# KiCad board poly_kb_molecule_7x5_wave_left.kicad_pcb (continued)
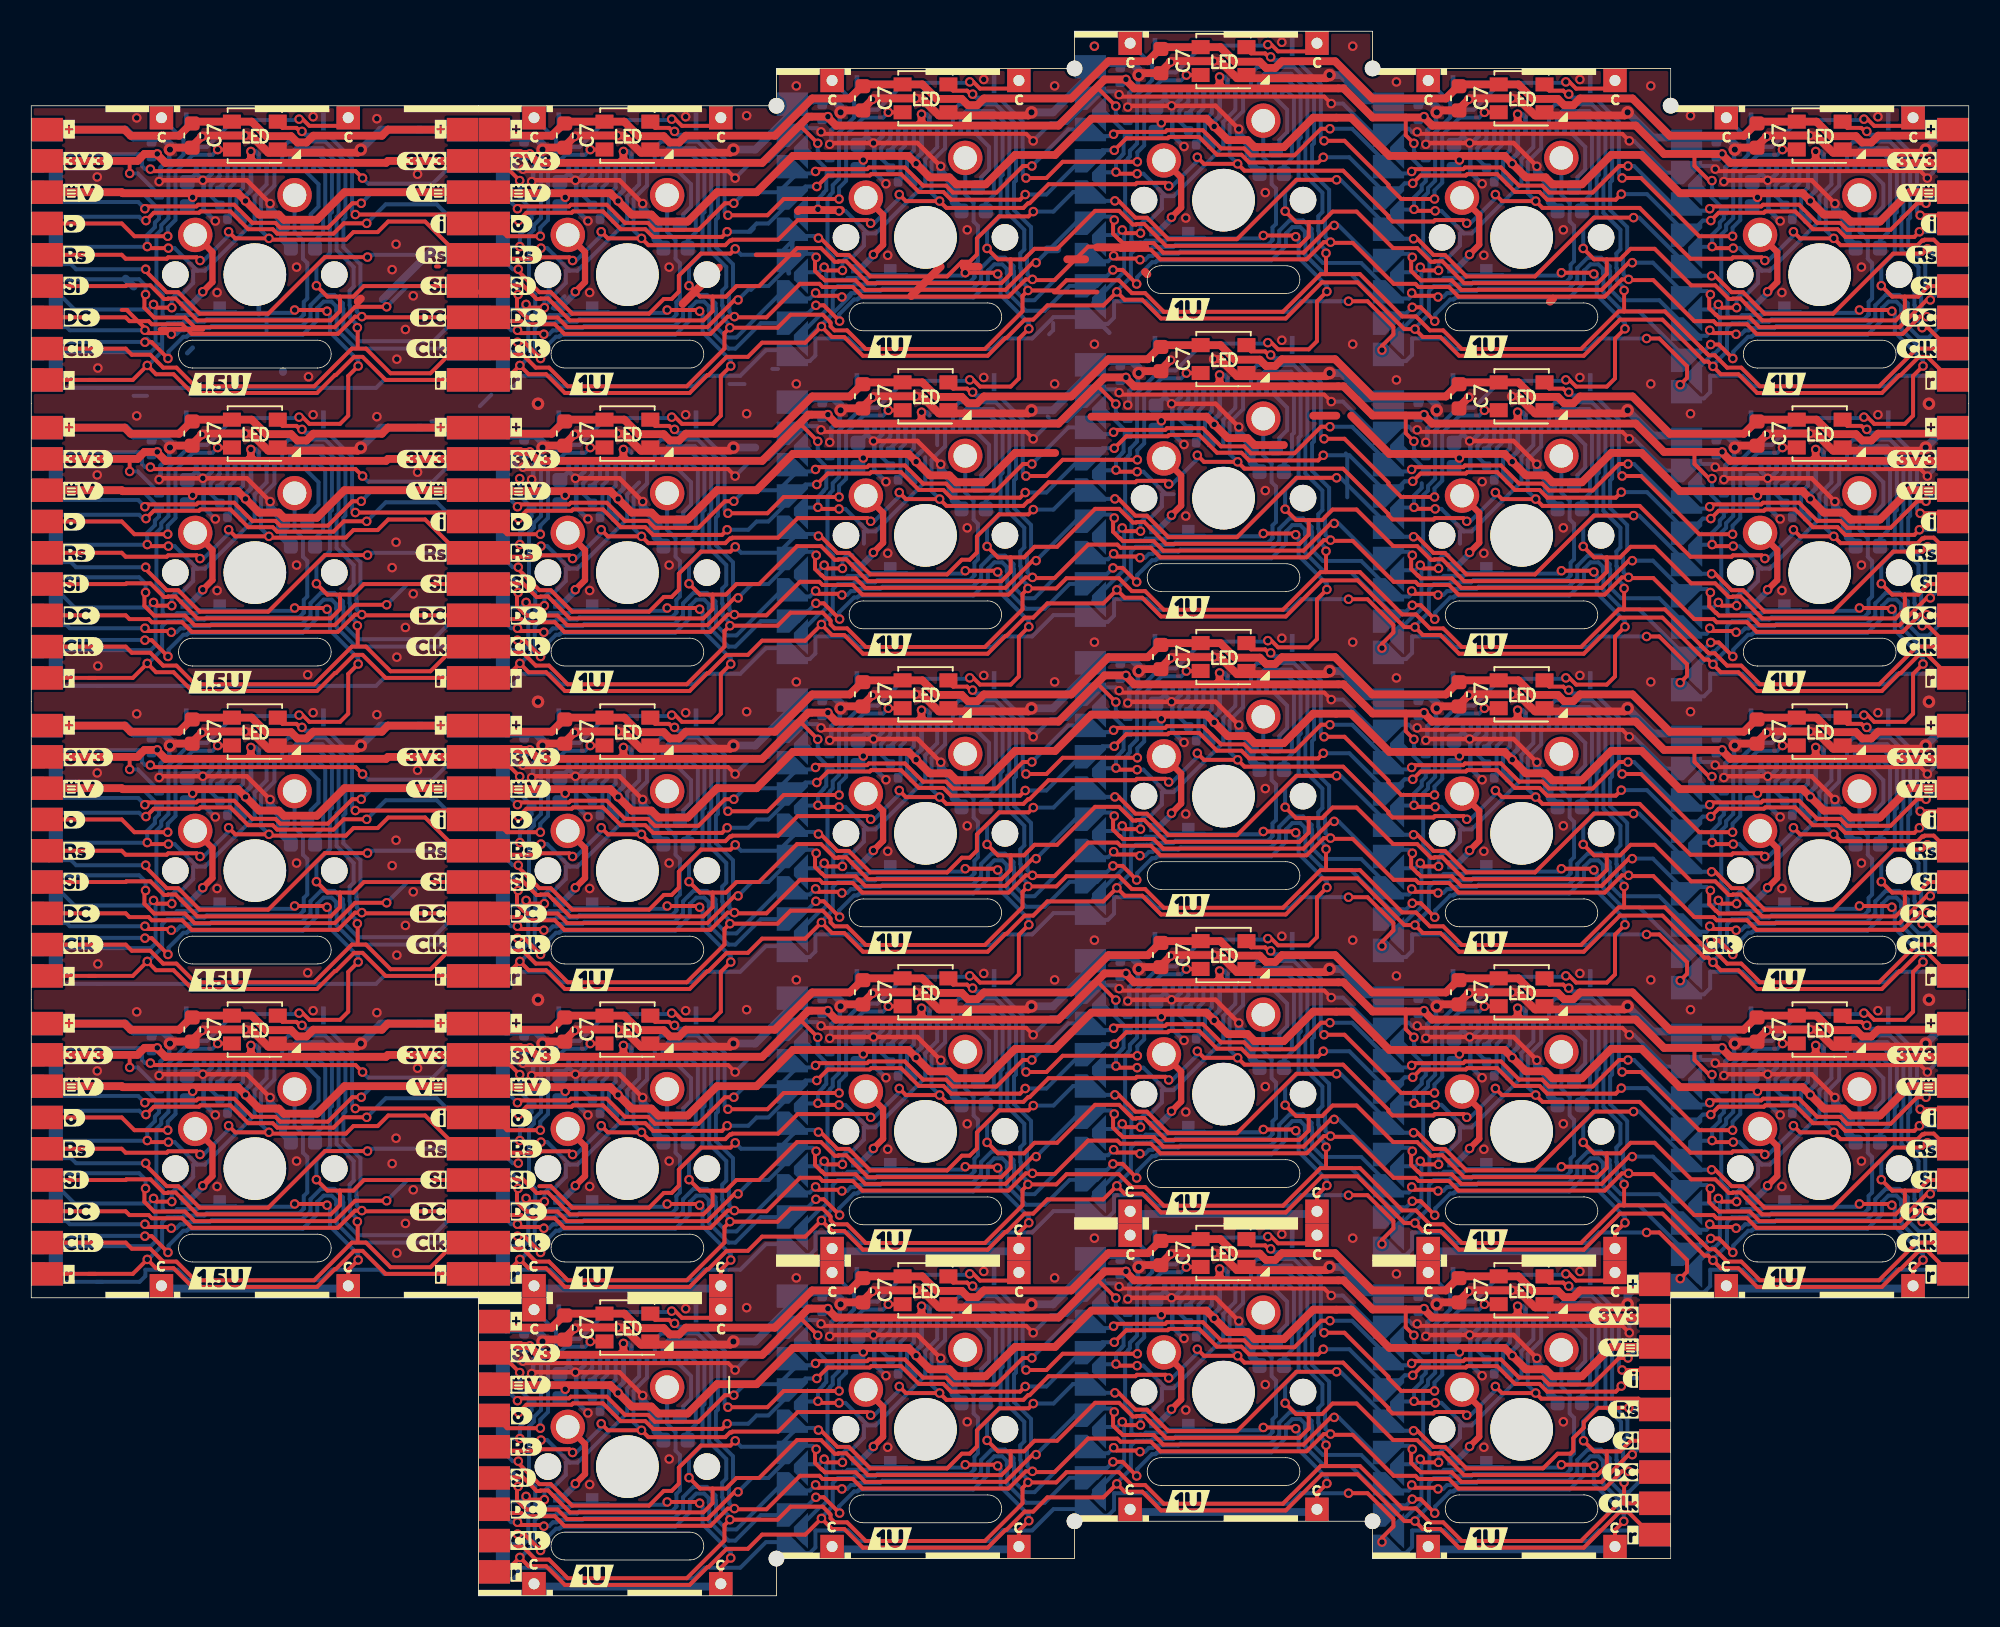
[diagram p0: board, top side]
## Routing (per net, layer and track width the routed paths; a pad name or vN(x,y) marks a point on that pad's centre or on a via; arc(x,y) is an arc through that point) (continued)
CS4: length 127.2
  Top w0.254: v1(21.49,47.48) 18.76,47.48 15.14,43.86 10.76,43.86 9.39,45.23 8.66,45.23 7.31,46.58 v1(7.31,46.7) ; v1(21.49,85.58) 18.76,85.58 15.14,81.96 10.76,81.96 9.39,83.33 8.66,83.33 7.31,84.68 v1(7.31,84.8) ; v1(7.31,27.65) 7.31,27.53 8.66,26.18 9.39,26.18 10.76,24.81 15.14,24.81 18.76,28.43 v1(21.49,28.43) ; v1(31.12,27.65) 31.12,27.53 ; v1(7.31,65.75) 7.31,65.63 8.66,64.28 9.39,64.28 10.76,62.91 15.14,62.91 18.76,66.53 v1(21.49,66.53)
  Bottom w0.254: v1(21.49,85.58) 21.64,85.73 J6#2.5 ; v1(21.49,47.48) 21.64,47.63 J6.5 ; v1(7.31,65.75) 2.86,65.75 2.54,66.08 1.12,66.08 J5#5.5 ; v1(7.31,46.7) 2.86,46.7 2.54,47.03 1.12,47.03 J5#24.5 ; v1(7.31,27.65) 2.86,27.65 2.54,27.98 1.12,27.98 J5#2.5 ; v1(21.49,66.53) 21.64,66.68 J6#5.5 ; v1(31.12,27.65) 30.77,27.65 29.84,28.58 ; v1(7.31,84.8) 2.86,84.8 2.54,85.13 1.12,85.13 J5#15.5 ; v1(21.49,28.43) 21.64,28.58 J6#4.5
  Bottom w0.5: 22.46,82.87 25.61,86.02
  vias: v1(50.3,86.79) v1(50.3,67.74) v1(50.3,48.69) v1(50.3,29.64) v1(50.3,10.59) v1(64.04,88.49) v1(64.04,69.44) v1(64.04,50.39) v1(64.04,31.34) v1(64.04,12.29) v1(69.25,89.17) v1(69.25,70.12) v1(69.25,51.07) v1(69.25,32.02) v1(69.25,12.97) v1(83.42,90.52) v1(83.42,71.47) v1(83.42,52.42) v1(83.42,33.37) v1(83.42,14.32) v1(88.34,86.75) v1(88.34,67.7) v1(88.34,48.65) v1(88.34,29.6) v1(88.34,10.55) v1(102.1,12.01) v1(102.41,88.1) v1(102.41,69.05) v1(102.41,50) v1(102.41,30.95)
CS5: length 1194.3
  Top w0.254: v1(44.99,67.05) 44.68,66.75 42.8,66.75 41.39,65.34 41.39,64.31 40.92,63.85 40.42,63.85 39.48,62.91 34.58,62.91 33.2,64.28 32.47,64.28 31.12,65.63 v1(31.12,65.75) ; v1(102.32,47.12) 102.1,47.12 100.36,45.38 91.4,45.38 90.78,45.99 88.81,45.99 88.63,46.17 88.61,46.17 88.19,46.59 88.19,47.39 v1(88.27,47.47) ; 69.25,51.07 69.5,51.07 70.57,50 71.3,50 72.68,48.62 77.06,48.62 80.85,52.42 83.42,52.42 ; v1(31.12,8.6) 31.12,8.48 32.47,7.13 33.2,7.13 34.58,5.76 39.48,5.76 40.42,6.7 40.92,6.7 41.39,7.16 41.39,8.19 42.8,9.6 44.68,9.6 v1(44.99,9.9) ; 50.3,86.79 50.44,86.79 51.52,85.71 52.25,85.71 53.63,84.34 58.53,84.34 59.47,85.28 59.97,85.28 60.44,85.74 60.44,86.77 61.85,88.18 63.73,88.18 64.04,88.49 ; v1(88.27,85.57) 88.19,85.49 88.19,84.69 88.61,84.27 88.63,84.27 88.81,84.09 90.78,84.09 91.4,83.48 100.36,83.48 102.1,85.22 v1(102.32,85.22) ; v1(121.19,67.05) 120.88,66.75 119,66.75 115.16,62.91 110.78,62.91 109.4,64.28 108.67,64.28 107.62,65.33 v1(107.39,65.33) ; 32.47,26.18 33.2,26.18 34.58,24.81 39.48,24.81 40.42,25.75 40.92,25.75 41.39,26.21 41.39,27.24 42.8,28.65 44.68,28.65 v1(44.99,28.95) ; v1(69.22,11.75) 69.14,11.67 69.14,10.87 69.56,10.45 69.58,10.45 69.76,10.27 71.73,10.27 72.35,9.66 81.31,9.66 83.05,11.4 v1(83.27,11.4) ; 83.42,14.32 80.85,14.32 77.06,10.52 72.68,10.52 71.3,11.9 70.57,11.9 69.5,12.97 69.25,12.97 ; v1(69.22,49.85) 69.14,49.77 69.14,48.97 69.56,48.55 69.58,48.55 69.76,48.37 71.73,48.37 72.35,47.76 81.31,47.76 83.05,49.5 v1(83.27,49.5) ; v1(31.12,83.19) 31.04,83.11 31.04,82.31 31.46,81.89 31.48,81.89 31.66,81.71 33.63,81.71 34.25,81.1 43.21,81.1 44.95,82.84 v1(45.17,82.84) ; v1(107.39,84.38) 107.62,84.38 108.67,83.33 109.4,83.33 110.78,81.96 115.16,81.96 119,85.8 120.88,85.8 v1(121.19,86.1) ; v1(88.27,9.37) 88.19,9.29 88.19,8.49 88.61,8.07 88.63,8.07 88.81,7.89 90.78,7.89 91.4,7.28 100.36,7.28 102.1,9.02 v1(102.32,9.02) ; v1(31.12,46.7) 31.12,46.58 32.47,45.23 33.2,45.23 34.58,43.86 39.48,43.86 40.42,44.8 40.92,44.8 41.39,45.26 41.39,46.29 42.8,47.7 44.68,47.7 v1(44.99,48) ; v1(88.27,66.52) 88.19,66.44 88.19,65.64 88.61,65.22 88.63,65.22 88.81,65.04 90.78,65.04 91.4,64.43 100.36,64.43 102.1,66.17 v1(102.32,66.17) ; 69.25,89.17 69.5,89.17 70.57,88.1 71.3,88.1 72.68,86.72 77.06,86.72 80.85,90.52 83.42,90.52 ; 69.25,70.12 69.5,70.12 70.57,69.05 71.3,69.05 72.68,67.67 77.06,67.67 80.85,71.47 83.42,71.47 ; v1(22.71,44.3) 20.7,44.3 19.4,43 10.43,43 9.82,43.61 7.85,43.61 7.23,44.23 7.23,45.01 v1(7.3,45.09) ; v1(45.17,63.79) 44.95,63.79 43.21,62.05 34.25,62.05 33.63,62.66 31.66,62.66 31.48,62.84 31.46,62.84 31.04,63.26 31.04,64.06 v1(31.12,64.13) ; v1(22.71,63.35) 20.7,63.35 19.4,62.05 10.43,62.05 9.82,62.66 7.85,62.66 7.23,63.28 7.23,64.06 v1(7.3,64.14) ; 102.1,12.01 100.14,12.01 99.22,11.09 99.22,10.75 98.55,10.08 98.55,9.27 98.36,9.08 97.55,9.08 96.62,8.14 91.73,8.14 90.35,9.51 89.62,9.51 88.58,10.55 88.34,10.55 ; 102.41,30.95 99.87,30.95 96.11,27.19 91.73,27.19 90.35,28.56 89.62,28.56 88.58,29.6 88.34,29.6 ; v1(121.37,63.79) 121.15,63.79 119.41,62.05 110.45,62.05 109.83,62.66 107.86,62.66 107.68,62.84 107.66,62.84 107.24,63.26 107.24,64.06 v1(107.32,64.13) ; v1(31.12,6.98) 31.04,6.91 31.04,6.11 31.46,5.69 31.48,5.69 31.66,5.51 33.63,5.51 34.25,4.9 43.21,4.9 44.95,6.64 v1(45.17,6.64) ; v1(107.32,83.19) 107.24,83.11 107.24,82.31 107.66,81.89 107.68,81.89 107.86,81.71 109.83,81.71 110.45,81.1 119.41,81.1 121.15,82.84 v1(121.37,82.84) ; 83.42,33.37 80.85,33.37 77.06,29.57 72.68,29.57 71.3,30.95 70.57,30.95 69.5,32.02 69.25,32.02 ; v1(121.37,25.69) 121.15,25.69 119.41,23.95 110.45,23.95 109.83,24.56 107.86,24.56 107.68,24.74 107.66,24.74 107.24,25.16 107.24,25.96 v1(107.32,26.03) ; v1(107.39,46.28) 107.62,46.28 108.67,45.23 109.4,45.23 110.78,43.86 115.16,43.86 119,47.7 120.88,47.7 v1(121.19,48) ; v1(83.27,68.55) 83.05,68.55 81.31,66.81 72.35,66.81 71.73,67.42 69.76,67.42 69.58,67.6 69.56,67.6 69.14,68.02 69.14,68.82 v1(69.22,68.9) ; 88.34,67.7 88.58,67.7 89.62,66.66 90.35,66.66 91.73,65.29 96.11,65.29 99.87,69.05 102.41,69.05 ; v1(22.71,25.25) 20.7,25.25 19.4,23.95 10.43,23.95 9.82,24.56 7.85,24.56 7.23,25.18 7.23,25.96 v1(7.3,26.04) ; v1(64.22,9.02) 64,9.02 62.26,7.28 53.3,7.28 52.68,7.89 50.72,7.89 50.54,8.07 50.51,8.07 50.09,8.49 50.09,9.29 v1(50.16,9.37) ; v1(107.39,27.23) 107.62,27.23 108.67,26.18 109.4,26.18 110.78,24.81 115.16,24.81 119,28.65 120.88,28.65 v1(121.19,28.95) ; v1(69.22,87.95) 69.14,87.87 69.14,87.07 69.56,86.65 69.58,86.65 69.76,86.47 71.73,86.47 72.35,85.86 81.31,85.86 83.05,87.6 v1(83.27,87.6) ; v1(31.12,45.08) 31.04,45.01 31.04,44.21 31.46,43.79 31.48,43.79 31.66,43.61 33.63,43.61 34.25,43 43.21,43 44.95,44.74 v1(45.17,44.74) ; 50.3,29.64 50.44,29.64 51.52,28.56 52.25,28.56 53.63,27.19 58.53,27.19 59.47,28.13 59.97,28.13 60.44,28.59 60.44,29.62 61.85,31.03 63.73,31.03 64.04,31.34 ; v1(50.16,85.57) 50.09,85.49 50.09,84.69 50.51,84.27 50.54,84.27 50.72,84.09 52.68,84.09 53.3,83.48 62.26,83.48 64,85.22 v1(64.22,85.22) ; v1(45.17,25.69) 44.95,25.69 43.21,23.95 34.25,23.95 33.63,24.56 31.66,24.56 31.48,24.74 31.46,24.74 31.04,25.16 31.04,25.96 v1(31.12,26.03) ; 88.34,86.75 88.58,86.75 89.62,85.71 90.35,85.71 91.73,84.34 96.11,84.34 99.87,88.1 102.41,88.1 ; v1(7.3,83.19) 7.23,83.11 7.23,82.33 7.85,81.71 9.82,81.71 10.43,81.1 19.4,81.1 20.7,82.4 v1(22.71,82.4) ; v1(31.12,84.8) 31.12,84.68 32.47,83.33 33.2,83.33 34.58,81.96 39.48,81.96 40.42,82.9 40.92,82.9 41.39,83.36 41.39,84.39 42.8,85.8 44.68,85.8 v1(44.99,86.1) ; 102.41,50 99.87,50 96.11,46.24 91.73,46.24 90.35,47.61 89.62,47.61 88.58,48.65 88.34,48.65 ; 64.04,12.29 63.73,11.98 61.85,11.98 60.44,10.57 60.44,9.54 59.97,9.08 59.47,9.08 58.53,8.14 53.63,8.14 52.25,9.51 51.52,9.51 50.44,10.59 50.3,10.59 ; v1(88.27,28.42) 88.19,28.34 88.19,27.54 88.61,27.12 88.63,27.12 88.81,26.94 90.78,26.94 91.4,26.33 100.36,26.33 102.1,28.07 v1(102.32,28.07) ; 64.04,69.44 63.73,69.13 61.85,69.13 60.44,67.72 60.44,66.69 59.97,66.23 59.47,66.23 58.53,65.29 53.63,65.29 52.25,66.66 51.52,66.66 50.44,67.74 50.3,67.74 ; v1(69.22,30.8) 69.14,30.72 69.14,29.92 69.56,29.5 69.58,29.5 69.76,29.32 71.73,29.32 72.35,28.71 81.31,28.71 83.05,30.45 v1(83.27,30.45) ; v1(64.22,47.12) 64,47.12 62.26,45.38 53.3,45.38 52.68,45.99 50.72,45.99 50.54,46.17 50.51,46.17 50.09,46.59 50.09,47.39 v1(50.16,47.47) ; v1(64.22,28.07) 64,28.07 62.26,26.33 53.3,26.33 52.68,26.94 50.72,26.94 50.54,27.12 50.51,27.12 50.09,27.54 50.09,28.34 v1(50.16,28.42) ; v1(121.37,44.74) 121.15,44.74 119.41,43 110.45,43 109.83,43.61 107.86,43.61 107.68,43.79 107.66,43.79 107.24,44.21 107.24,45.01 v1(107.32,45.08) ; 50.3,48.69 50.44,48.69 51.52,47.61 52.25,47.61 53.63,46.24 58.53,46.24 59.47,47.18 59.97,47.18 60.44,47.64 60.44,48.67 61.85,50.08 63.73,50.08 64.04,50.39 ; v1(50.16,66.52) 50.09,66.44 50.09,65.64 50.51,65.22 50.54,65.22 50.72,65.04 52.68,65.04 53.3,64.43 62.26,64.43 64,66.17 v1(64.22,66.17)
  Bottom w0.25: v1(102.32,9.02) 103.21,9.91 J6#8.6
  Bottom w0.254: 50.3,67.74 50.17,67.88 49.17,67.88 48.74,68.31 48.74,67.66 47.76,66.67 45.37,66.67 v1(44.99,67.05) ; 83.42,71.47 83.68,71.47 87.45,67.7 88.34,67.7 ; v1(7.3,45.09) 7.3,45.65 6.89,46.06 0.95,46.06 J5#24.6 ; v1(44.99,48) 45.37,47.62 47.76,47.62 48.74,48.61 48.74,49.26 49.17,48.83 50.17,48.83 50.3,48.69 ; v1(50.16,47.47) 49.95,47.69 49.17,47.69 47.11,45.62 46.06,45.62 v1(45.17,44.74) ; J6#5.6 24.04,64.68 v1(22.71,63.35) ; v1(50.16,28.42) 49.95,28.64 49.17,28.64 47.11,26.58 46.06,26.58 v1(45.17,25.69) ; 88.34,86.75 87.45,86.75 83.68,90.52 83.42,90.52 ; 122.55,85.72 121.57,85.72 v1(121.19,86.1) ; 88.34,29.6 87.45,29.6 83.68,33.37 83.42,33.37 ; v1(44.99,86.1) 45.37,85.72 47.76,85.72 48.74,86.71 48.74,87.36 49.17,86.93 50.17,86.93 50.3,86.79 ; v1(121.37,82.84) 122.26,83.72 122.55,83.72 ; 102.41,69.05 102.77,69.05 106.49,65.33 v1(107.39,65.33) ; v1(121.19,48) 121.57,47.62 122.55,47.62 ; J5#22.6 29.52,27.01 30.71,27.01 31.12,26.6 v1(31.12,26.03) ; 50.3,29.64 50.17,29.78 49.17,29.78 48.74,30.21 48.74,29.56 47.76,28.58 45.37,28.58 v1(44.99,28.95) ; 64.04,69.44 65.33,69.44 66.58,70.69 67.79,70.69 68.36,70.12 69.25,70.12 ; J6#4.6 24.04,26.58 v1(22.71,25.25) ; 29.84,85.72 30.77,84.8 v1(31.12,84.8) ; v1(50.16,66.52) 49.95,66.74 49.17,66.74 47.11,64.67 46.06,64.67 v1(45.17,63.79) ; v1(64.22,85.22) 66.74,87.74 67.79,87.74 68.22,88.17 69,88.17 v1(69.22,87.95) ; v1(50.16,85.57) 49.95,85.79 49.17,85.79 47.11,83.72 46.06,83.72 v1(45.17,82.84) ; v1(107.32,26.03) 107.1,26.25 106.32,26.25 105.89,25.83 103.65,28.07 v1(102.32,28.07) ; v1(121.19,28.95) 121.57,28.58 122.55,28.58 ; 102.41,50 102.77,50 106.49,46.28 v1(107.39,46.28) ; 83.42,14.32 83.68,14.32 87.45,10.55 88.34,10.55 ; v1(107.39,27.23) 106.49,27.23 102.77,30.95 102.41,30.95 ; v1(121.37,63.79) 122.26,64.67 122.55,64.67 ; v1(69.22,68.9) 69,69.12 68.22,69.12 67.79,68.69 66.74,68.69 v1(64.22,66.17) ; 69.25,12.97 68.36,12.97 67.79,13.54 66.58,13.54 65.33,12.29 64.04,12.29 ; v1(50.16,9.37) 49.95,9.59 49.17,9.59 47.11,7.52 46.06,7.52 v1(45.17,6.64) ; 69.25,51.07 68.36,51.07 67.79,51.64 66.58,51.64 65.33,50.39 64.04,50.39 ; J6.6 24.04,45.63 v1(22.71,44.3) ; 122.55,26.58 122.26,26.58 v1(121.37,25.69) ; v1(88.27,66.52) 88.05,66.74 87.27,66.74 86.79,66.26 85.84,66.26 83.55,68.55 v1(83.27,68.55) ; v1(88.27,85.57) 88.05,85.79 87.27,85.79 86.79,85.31 85.84,85.31 83.55,87.6 v1(83.27,87.6) ; v1(107.32,64.13) 107.1,64.35 106.32,64.35 105.89,63.92 103.65,66.17 v1(102.32,66.17) ; 122.55,45.62 122.26,45.62 v1(121.37,44.74) ; v1(64.22,9.02) 66.74,11.54 67.79,11.54 68.22,11.97 69,11.97 v1(69.22,11.75) ; v1(102.32,47.12) 103.65,47.12 105.89,44.88 106.32,45.3 107.1,45.3 v1(107.32,45.08) ; 29.84,66.67 30.77,65.75 v1(31.12,65.75) ; 102.1,12.01 102.21,11.91 103.76,11.91 ; v1(83.27,30.45) 83.55,30.45 85.84,28.16 86.79,28.16 87.27,28.64 88.05,28.64 v1(88.27,28.42) ; v1(31.12,64.13) 31.12,64.7 30.71,65.11 29.52,65.11 J5#17.6 ; J5#12.6 29.52,46.06 30.71,46.06 31.12,45.65 v1(31.12,45.08) ; v1(31.12,6.98) 31.12,7.55 30.71,7.96 29.52,7.96 J5#18.6 ; v1(31.12,46.7) 30.77,46.7 29.84,47.62 ; 88.34,48.65 87.45,48.65 83.68,52.42 83.42,52.42 ; 122.55,66.67 121.57,66.67 v1(121.19,67.05) ; 102.41,88.1 102.77,88.1 106.49,84.38 v1(107.39,84.38) ; J6#2.6 24.04,83.73 v1(22.71,82.4) ; 64.04,31.34 65.33,31.34 66.58,32.59 67.79,32.59 68.36,32.02 69.25,32.02 ; v1(69.22,30.8) 69,31.02 68.22,31.02 67.79,30.59 66.74,30.59 v1(64.22,28.07) ; v1(83.27,11.4) 83.55,11.4 85.84,9.11 86.79,9.11 87.27,9.59 88.05,9.59 v1(88.27,9.37) ; 29.84,9.52 30.77,8.6 v1(31.12,8.6) ; v1(69.22,49.85) 69,50.07 68.22,50.07 67.79,49.64 66.74,49.64 v1(64.22,47.12) ; 64.04,88.49 65.33,88.49 66.58,89.74 67.79,89.74 68.36,89.17 69.25,89.17 ; v1(7.3,83.19) 7.3,83.75 6.89,84.16 0.95,84.16 J5#15.6 ; v1(107.32,83.19) 107.1,83.4 106.32,83.4 105.89,82.97 103.65,85.22 v1(102.32,85.22) ; J5.6 29.52,84.16 30.71,84.16 31.12,83.75 v1(31.12,83.19) ; J5#5.6 0.95,65.11 6.89,65.11 7.3,64.7 v1(7.3,64.14) ; v1(7.3,26.04) 7.3,26.6 6.89,27.01 0.95,27.01 J5#2.6 ; v1(88.27,47.47) 88.05,47.69 87.27,47.69 86.79,47.21 85.84,47.21 83.55,49.5 v1(83.27,49.5) ; 50.3,10.59 50.17,10.73 49.17,10.73 48.74,11.16 48.74,10.51 47.76,9.52 45.37,9.52 v1(44.99,9.9)
CS6: length 849.6
  Top w0.254: v1(107.27,80.9) 107.45,80.72 108.88,80.72 v1(108.96,80.64) ; 70.65,64.81 69.75,65.71 69.13,65.71 ; 50.15,63.44 50.65,63.44 51.66,62.43 ; v1(70.86,66.36) 70.78,66.43 69.35,66.43 v1(69.17,66.61) ; v1(7.26,42.8) 7.44,42.62 8.87,42.62 v1(8.95,42.55) ; v1(31.07,61.09) 31.51,61.09 v1(32.55,60.04) ; 89.7,62.43 88.8,63.32 88.26,63.32 ; v1(50.13,45.19) 50.31,45 51.73,45 v1(51.81,44.93) ; v1(31.07,42.8) 31.25,42.62 32.68,42.62 v1(32.76,42.55) ; v1(51.81,83.03) 51.73,83.1 50.31,83.1 v1(50.13,83.29) ; v1(108.96,61.59) 108.88,61.67 107.45,61.67 v1(107.27,61.85) ; v1(107.27,42.8) 107.45,42.62 108.88,42.62 v1(108.96,42.55) ; v1(88.22,83.28) 88.4,83.1 89.83,83.1 v1(89.91,83.03) ; v1(7.26,61.85) 7.44,61.67 8.87,61.67 v1(8.95,61.6) ; v1(88.22,45.18) 88.4,45 89.83,45 v1(89.91,44.93) ; v1(70.86,47.31) 70.78,47.38 69.35,47.38 v1(69.17,47.56) ; v1(32.76,80.64) 32.68,80.72 31.25,80.72 v1(31.07,80.9) ; v1(70.86,85.41) 70.78,85.48 69.35,85.48 v1(69.17,85.66) ; v1(89.91,63.98) 89.83,64.05 88.4,64.05 v1(88.22,64.23) ; 88.26,44.27 88.8,44.27 89.7,43.38 ; 89.7,81.48 88.8,82.37 88.26,82.37 ; v1(7.26,23.75) 7.44,23.57 8.87,23.57 v1(8.95,23.5) ; v1(50.13,64.24) 50.31,64.05 51.73,64.05 v1(51.81,63.98) ; 69.13,84.76 69.75,84.76 70.65,83.86 ; 50.15,44.39 50.65,44.39 51.66,43.38 ; v1(31.07,61.85) 31.25,61.67 32.68,61.67 v1(32.76,61.59) ; v1(31.07,42.04) 31.51,42.04 v1(32.55,40.99) ; v1(108.75,60.04) 107.85,60.94 v1(107.34,60.94) ; 70.65,45.76 69.75,46.66 69.13,46.66 ; 50.15,82.49 50.65,82.49 51.66,81.48 ; v1(32.55,79.09) 31.51,80.14 v1(31.07,80.14) ; v1(108.75,79.09) 107.85,79.99 v1(107.34,79.99) ; v1(107.34,41.89) 107.85,41.89 v1(108.75,40.99) ; v1(8.95,80.65) 8.87,80.72 7.44,80.72 v1(7.26,80.9)
  Bottom w0.254: v1(51.81,63.98) 52.14,63.98 52.38,64.22 52.62,64.22 52.67,64.27 52.69,64.27 52.78,64.37 54.26,64.37 54.4,64.51 60.17,64.51 60.71,65.04 60.71,65.83 61.37,66.49 62.23,66.49 62.78,65.95 62.78,65.65 62.81,65.62 62.81,64.46 63.5,63.77 64.12,63.77 67.04,66.69 67.79,66.69 68.22,66.26 68.82,66.26 v1(69.17,66.61) ; v1(69.17,85.66) 68.82,85.31 68.22,85.31 67.79,85.74 67.04,85.74 64.12,82.82 63.5,82.82 62.81,83.51 62.81,84.67 62.78,84.7 62.78,85 62.23,85.54 61.37,85.54 60.71,84.88 60.71,84.09 60.17,83.56 54.4,83.56 54.26,83.42 52.78,83.42 52.69,83.32 52.67,83.32 52.62,83.27 52.38,83.27 52.14,83.03 v1(51.81,83.03) ; J5#2.7 1.14,23.95 2.26,23.95 2.46,23.75 v1(7.26,23.75) ; 88.21,82.54 88.26,82.48 88.26,82.37 87.85,81.96 87.45,81.96 86.84,81.36 86.84,81.98 84.34,84.49 82.66,84.49 81.43,85.71 81.43,86.87 81.4,86.9 81.4,87.2 81.11,87.49 80.6,87.49 80.21,87.1 80.21,87.1 80.2,87.09 80.2,87.09 80.19,87.07 80.19,86.3 79.26,85.37 71.98,85.37 71.91,85.3 71.89,85.3 71.84,85.25 71.64,85.25 70.68,84.29 70.68,84.14 70.65,84.11 70.65,83.86 ; 88.21,44.44 88.26,44.38 88.26,44.27 87.85,43.86 87.45,43.86 86.84,43.26 86.84,43.88 84.34,46.39 82.66,46.39 81.43,47.61 81.43,48.77 81.4,48.8 81.4,49.1 81.11,49.39 80.6,49.39 80.21,49 80.21,49 80.2,48.99 80.2,48.99 80.19,48.97 80.19,48.2 79.26,47.27 71.98,47.27 71.91,47.2 71.89,47.2 71.84,47.15 71.64,47.15 70.68,46.19 70.68,46.04 70.65,46.01 70.65,45.76 ; 69.12,46.82 69.13,46.8 69.13,46.66 68.11,45.64 66.37,45.64 64.77,44.04 63.57,44.04 62.38,45.23 62.38,46.39 62.35,46.42 62.35,46.72 62.06,47.01 61.55,47.01 61.16,46.62 61.16,46.62 61.15,46.61 61.15,46.6 61.14,46.59 61.14,45.82 60.21,44.89 52.93,44.89 52.86,44.82 52.84,44.82 52.79,44.77 52.59,44.77 51.63,43.81 51.63,43.66 51.66,43.63 51.66,43.38 ; v1(88.22,45.18) 88.22,45 88.05,44.83 87.27,44.83 85,47.1 82.55,47.1 81.86,47.79 81.86,48.95 81.83,48.98 81.83,49.28 81.28,49.82 80.42,49.82 79.76,49.16 79.76,48.37 79.22,47.84 73.45,47.84 73.31,47.7 71.83,47.7 71.74,47.6 71.72,47.6 71.67,47.55 71.43,47.55 71.19,47.31 v1(70.86,47.31) ; v1(88.22,64.23) 88.22,64.05 88.05,63.88 87.27,63.88 85,66.15 82.55,66.15 81.86,66.84 81.86,68 81.83,68.03 81.83,68.33 81.28,68.87 80.42,68.87 79.76,68.21 79.76,67.42 79.22,66.89 73.45,66.89 73.31,66.75 71.83,66.75 71.74,66.65 71.72,66.65 71.67,66.6 71.43,66.6 71.19,66.36 v1(70.86,66.36) ; v1(7.26,61.85) 2.46,61.85 2.26,62.05 1.14,62.05 J5#5.7 ; 50.15,63.44 49.01,62.31 46.63,62.31 45,60.67 44.56,60.67 43.33,61.9 43.33,63.06 43.3,63.09 43.3,63.39 43.01,63.68 42.5,63.68 42.11,63.29 42.11,63.28 42.1,63.28 42.1,63.27 42.09,63.26 42.09,62.48 41.16,61.55 33.88,61.55 33.81,61.48 33.79,61.48 33.74,61.44 33.54,61.44 32.58,60.48 32.58,60.33 32.55,60.3 v1(32.55,60.04) ; 89.7,62.43 89.7,62.68 89.73,62.71 89.73,62.86 90.69,63.82 90.89,63.82 90.94,63.87 90.96,63.87 91.03,63.94 98.31,63.94 99.24,64.87 99.24,65.64 99.25,65.65 99.25,65.66 99.26,65.67 99.26,65.67 99.65,66.06 100.16,66.06 100.45,65.77 100.45,65.47 100.48,65.44 100.48,64.28 101.71,63.06 102.76,63.06 105.89,59.92 106.5,60.53 106.93,60.53 v1(107.34,60.94) 107.34,61.03 107.26,61.11 ; 51.66,81.48 51.66,81.73 51.63,81.76 51.63,81.91 52.59,82.87 52.79,82.87 52.84,82.92 52.86,82.92 52.93,82.99 60.21,82.99 61.14,83.92 61.14,84.69 61.15,84.7 61.15,84.71 61.16,84.72 61.16,84.72 61.55,85.11 62.06,85.11 62.35,84.82 62.35,84.52 62.38,84.49 62.38,83.33 63.57,82.14 64.77,82.14 66.37,83.74 68.11,83.74 69.13,84.76 69.13,84.9 69.12,84.92 ; 50.15,82.49 49.01,81.36 46.63,81.36 45,79.72 44.56,79.72 43.33,80.95 43.33,82.11 43.3,82.14 43.3,82.44 43.01,82.73 42.5,82.73 42.11,82.34 42.11,82.33 42.1,82.33 42.1,82.32 42.09,82.31 42.09,81.53 41.16,80.6 33.88,80.6 33.81,80.53 33.79,80.53 33.74,80.49 33.54,80.49 32.58,79.53 32.58,79.38 32.55,79.35 v1(32.55,79.09) ; v1(108.96,42.55) 109.29,42.55 109.53,42.79 109.77,42.79 109.82,42.84 109.84,42.84 109.93,42.93 111.41,42.93 111.55,43.08 117.32,43.08 117.86,43.61 117.86,44.39 118.52,45.06 119.38,45.06 119.93,44.52 119.93,44.22 119.96,44.19 119.96,43.03 120.65,42.34 121.27,42.34 122.55,43.62 ; 122.81,41.62 120.76,41.62 119.53,42.85 119.53,44.01 119.5,44.04 119.5,44.34 119.21,44.63 118.7,44.63 118.31,44.24 118.31,44.23 118.3,44.23 118.3,44.22 118.29,44.21 118.29,43.43 117.36,42.5 110.08,42.5 110.01,42.43 109.99,42.43 109.94,42.39 109.74,42.39 108.78,41.43 108.78,41.28 108.75,41.25 v1(108.75,40.99) ; v1(108.75,79.09) 108.75,79.35 108.78,79.38 108.78,79.53 109.74,80.49 109.94,80.49 109.99,80.53 110.01,80.53 110.08,80.6 117.36,80.6 118.29,81.53 118.29,82.31 118.3,82.32 118.3,82.33 118.31,82.33 118.31,82.34 118.7,82.73 119.21,82.73 119.5,82.44 119.5,82.14 119.53,82.11 119.53,80.95 120.76,79.72 122.81,79.72 ; v1(108.75,60.04) 108.75,60.3 108.78,60.33 108.78,60.48 109.74,61.44 109.94,61.44 109.99,61.48 110.01,61.48 110.08,61.55 117.36,61.55 118.29,62.48 118.29,63.26 118.3,63.27 118.3,63.28 118.31,63.28 118.31,63.29 118.7,63.68 119.21,63.68 119.5,63.39 119.5,63.09 119.53,63.06 119.53,61.9 120.76,60.67 122.81,60.67 ; 89.7,81.48 89.7,81.73 89.73,81.76 89.73,81.91 90.69,82.87 90.89,82.87 90.94,82.92 90.96,82.92 91.03,82.99 98.31,82.99 99.24,83.92 99.24,84.69 99.25,84.7 99.25,84.71 99.26,84.72 99.26,84.72 99.65,85.11 100.16,85.11 100.45,84.82 100.45,84.52 100.48,84.49 100.48,83.33 101.71,82.11 102.76,82.11 105.89,78.97 106.5,79.58 106.93,79.58 v1(107.34,79.99) 107.34,80.08 107.26,80.16 ; v1(31.07,42.8) 30.67,42.8 29.84,43.62 ; J6#5.7 27.24,62.68 25.71,61.15 20.87,61.15 19.95,62.08 19.95,63.24 19.92,63.27 19.92,63.57 19.37,64.11 18.51,64.11 17.84,63.44 17.84,62.66 17.31,62.13 11.54,62.13 11.4,61.98 9.92,61.98 9.83,61.89 9.81,61.89 9.76,61.84 9.52,61.84 9.27,61.6 v1(8.95,61.6) ; J5#15.7 1.14,81.1 2.26,81.1 2.46,80.9 v1(7.26,80.9) ; v1(32.76,42.55) 33.09,42.55 33.33,42.79 33.57,42.79 33.62,42.84 33.64,42.84 33.73,42.93 35.21,42.93 35.35,43.08 41.12,43.08 41.66,43.61 41.66,44.39 42.32,45.06 43.18,45.06 43.73,44.52 43.73,44.22 43.76,44.19 43.76,43.03 44.45,42.34 45.07,42.34 47.99,45.26 48.74,45.26 49.17,44.83 49.76,44.83 50.11,45.19 v1(50.13,45.19) ; v1(70.86,85.41) 71.19,85.41 71.43,85.65 71.67,85.65 71.72,85.7 71.74,85.7 71.83,85.8 73.31,85.8 73.45,85.94 79.22,85.94 79.76,86.47 79.76,87.26 80.42,87.92 81.28,87.92 81.83,87.38 81.83,87.08 81.86,87.05 81.86,85.89 82.55,85.2 85,85.2 87.27,82.93 88.05,82.93 88.22,83.1 v1(88.22,83.28) ; 29.09,60.67 29.52,61.11 31.06,61.11 v1(31.07,61.09) ; v1(108.96,80.64) 109.29,80.64 109.53,80.89 109.77,80.89 109.82,80.94 109.84,80.94 109.93,81.03 111.41,81.03 111.55,81.18 117.32,81.18 117.86,81.71 117.86,82.49 118.52,83.16 119.38,83.16 119.93,82.62 119.93,82.32 119.96,82.29 119.96,81.13 120.65,80.44 121.27,80.44 122.55,81.72 ; 29.09,79.72 29.52,80.16 31.06,80.16 v1(31.07,80.14) ; v1(31.07,80.9) 30.67,80.9 29.84,81.72 ; v1(107.27,61.85) 107.27,61.7 107.07,61.5 106.32,61.5 104.05,63.77 101.6,63.77 100.91,64.46 100.91,65.62 100.88,65.65 100.88,65.95 100.33,66.49 99.47,66.49 98.81,65.83 98.81,65.04 98.27,64.51 92.5,64.51 92.36,64.37 90.88,64.37 90.79,64.27 90.77,64.27 90.72,64.22 90.48,64.22 90.24,63.98 v1(89.91,63.98) ; v1(51.81,44.93) 52.14,44.93 52.38,45.17 52.62,45.17 52.67,45.22 52.69,45.22 52.78,45.32 54.26,45.32 54.4,45.46 60.17,45.46 60.71,45.99 60.71,46.78 61.37,47.44 62.23,47.44 62.78,46.9 62.78,46.6 62.81,46.57 62.81,45.41 63.5,44.72 64.12,44.72 67.04,47.64 67.79,47.64 68.22,47.21 68.82,47.21 v1(69.17,47.56) ; v1(50.13,64.24) 50.11,64.24 49.76,63.88 49.17,63.88 48.74,64.31 47.99,64.31 45.07,61.39 44.45,61.39 43.76,62.08 43.76,63.24 43.73,63.27 43.73,63.57 43.18,64.11 42.32,64.11 41.66,63.44 41.66,62.66 41.12,62.13 35.35,62.13 35.21,61.98 33.73,61.98 33.64,61.89 33.62,61.89 33.57,61.84 33.33,61.84 33.09,61.59 v1(32.76,61.59) ; 69.12,65.87 69.13,65.85 69.13,65.71 68.11,64.69 66.37,64.69 64.77,63.09 63.57,63.09 62.38,64.28 62.38,65.44 62.35,65.47 62.35,65.77 62.06,66.06 61.55,66.06 61.16,65.67 61.16,65.67 61.15,65.66 61.15,65.65 61.14,65.64 61.14,64.87 60.21,63.94 52.93,63.94 52.86,63.87 52.84,63.87 52.79,63.82 52.59,63.82 51.63,62.86 51.63,62.71 51.66,62.68 51.66,62.43 ; v1(89.91,83.03) 90.24,83.03 90.48,83.27 90.72,83.27 90.77,83.32 90.79,83.32 90.88,83.42 92.36,83.42 92.5,83.56 98.27,83.56 98.81,84.09 98.81,84.88 99.47,85.54 100.33,85.54 100.88,85 100.88,84.7 100.91,84.67 100.91,83.51 101.6,82.82 104.05,82.82 106.32,80.55 107.07,80.55 107.27,80.75 v1(107.27,80.9) ; J6#4.7 27.24,24.58 25.71,23.05 20.87,23.05 19.95,23.98 19.95,25.14 19.92,25.17 19.92,25.47 19.37,26.01 18.51,26.01 17.84,25.34 17.84,24.56 17.31,24.03 11.54,24.03 11.4,23.88 9.92,23.88 9.83,23.79 9.81,23.79 9.76,23.74 9.52,23.74 9.27,23.5 v1(8.95,23.5) ; 50.15,44.39 49.01,43.26 46.63,43.26 45,41.62 44.56,41.62 43.33,42.85 43.33,44.01 43.3,44.04 43.3,44.34 43.01,44.63 42.5,44.63 42.11,44.24 42.11,44.23 42.1,44.23 42.1,44.22 42.09,44.21 42.09,43.43 41.16,42.5 33.88,42.5 33.81,42.43 33.79,42.43 33.74,42.39 33.54,42.39 32.58,41.43 32.58,41.28 32.55,41.25 v1(32.55,40.99) ; v1(107.27,42.8) 107.27,42.65 107.07,42.45 106.32,42.45 104.05,44.72 101.6,44.72 100.91,45.41 100.91,46.57 100.88,46.6 100.88,46.9 100.33,47.44 99.47,47.44 98.81,46.78 98.81,45.99 98.27,45.46 92.5,45.46 92.36,45.32 90.88,45.32 90.79,45.22 90.77,45.22 90.72,45.17 90.48,45.17 90.24,44.93 v1(89.91,44.93) ; 88.21,63.49 88.26,63.43 88.26,63.32 87.85,62.91 87.45,62.91 86.84,62.31 86.84,62.93 84.34,65.44 82.66,65.44 81.43,66.66 81.43,67.82 81.4,67.85 81.4,68.15 81.11,68.44 80.6,68.44 80.21,68.05 80.21,68.05 80.2,68.04 80.2,68.04 80.19,68.02 80.19,67.25 79.26,66.32 71.98,66.32 71.91,66.25 71.89,66.25 71.84,66.2 71.64,66.2 70.68,65.24 70.68,65.09 70.65,65.06 70.65,64.81 ; 29.84,62.67 30.67,61.85 v1(31.07,61.85) ; 107.26,42.06 107.34,41.98 v1(107.34,41.89) 106.93,41.48 106.5,41.48 105.89,40.88 102.76,44.01 101.71,44.01 100.48,45.23 100.48,46.39 100.45,46.42 100.45,46.72 100.16,47.01 99.65,47.01 99.26,46.62 99.26,46.62 99.25,46.61 99.25,46.6 99.24,46.59 99.24,45.82 98.31,44.89 91.03,44.89 90.96,44.82 90.94,44.82 90.89,44.77 90.69,44.77 89.73,43.81 89.73,43.66 89.7,43.63 89.7,43.38 ; v1(32.76,80.64) 33.09,80.64 33.33,80.89 33.57,80.89 33.62,80.94 33.64,80.94 33.73,81.03 35.21,81.03 35.35,81.18 41.12,81.18 41.66,81.71 41.66,82.49 42.32,83.16 43.18,83.16 43.73,82.62 43.73,82.32 43.76,82.29 43.76,81.13 44.45,80.44 45.07,80.44 47.99,83.36 48.74,83.36 49.17,82.93 49.76,82.93 50.11,83.29 v1(50.13,83.29) ; 29.09,41.62 29.52,42.06 31.06,42.06 v1(31.07,42.04) ; v1(7.26,42.8) 2.46,42.8 2.26,43 1.14,43 J5#24.7 ; 122.55,62.67 121.27,61.39 120.65,61.39 119.96,62.08 119.96,63.24 119.93,63.27 119.93,63.57 119.38,64.11 118.52,64.11 117.86,63.44 117.86,62.66 117.32,62.13 111.55,62.13 111.41,61.98 109.93,61.98 109.84,61.89 109.82,61.89 109.77,61.84 109.53,61.84 109.29,61.59 v1(108.96,61.59) ; J6.7 27.24,43.63 25.71,42.1 20.87,42.1 19.95,43.03 19.95,44.19 19.92,44.22 19.92,44.52 19.37,45.06 18.51,45.06 17.84,44.39 17.84,43.61 17.31,43.08 11.54,43.08 11.4,42.93 9.92,42.93 9.83,42.84 9.81,42.84 9.76,42.79 9.52,42.79 9.27,42.55 v1(8.95,42.55) ; J6#2.7 27.24,81.73 25.71,80.2 20.87,80.2 19.95,81.13 19.95,82.29 19.92,82.32 19.92,82.62 19.37,83.16 18.51,83.16 17.84,82.49 17.84,81.71 17.31,81.18 11.54,81.18 11.4,81.03 9.92,81.03 9.83,80.94 9.81,80.94 9.76,80.89 9.52,80.89 9.27,80.65 v1(8.95,80.65)
  vias: v1(50.13,26.14) v1(50.13,7.09) v1(51.81,25.88) v1(51.81,6.83) v1(69.17,28.51) v1(69.17,9.46) v1(70.86,28.26) v1(70.86,9.21) v1(88.22,26.13) v1(88.22,7.08) v1(89.91,25.88) v1(89.91,6.83)
CS7: length 560.5
  Top w0.254: v1(108.96,23.49) 108.88,23.57 107.45,23.57 v1(107.27,23.75) ; v1(108.75,21.94) 107.85,22.84 v1(107.34,22.84) ; v1(32.55,21.94) 31.51,22.99 v1(31.07,22.99) ; v1(31.07,23.75) 31.25,23.57 32.68,23.57 v1(32.76,23.49) ; v1(50.15,6.29) 50.65,6.29 v1(51.66,5.28) ; v1(7.26,42.04) 7.69,42.04 v1(8.74,40.99) ; 50.13,7.09 50.31,6.9 51.73,6.9 51.81,6.83 ; v1(89.7,24.33) 88.8,25.22 v1(88.26,25.22) ; v1(8.74,21.94) 7.69,22.99 v1(7.26,22.99) ; v1(69.13,27.61) 69.75,27.61 v1(70.65,26.71) ; 70.86,9.21 70.78,9.28 69.35,9.28 69.17,9.46 ; v1(7.26,80.14) 7.69,80.14 v1(8.74,79.09) ; v1(88.26,6.17) 88.8,6.17 v1(89.7,5.28) ; v1(7.26,61.09) 7.69,61.09 v1(8.74,60.04) ; 88.22,26.13 88.4,25.95 89.83,25.95 89.91,25.88 ; 89.91,6.83 89.83,6.9 88.4,6.9 88.22,7.08 ; v1(32.76,4.44) 32.68,4.52 31.25,4.52 v1(31.07,4.7) ; v1(50.15,25.34) 50.65,25.34 v1(51.66,24.33) ; 50.13,26.14 50.31,25.95 51.73,25.95 51.81,25.88 ; v1(69.13,8.56) 69.75,8.56 v1(70.65,7.66) ; 69.17,28.51 69.35,28.33 70.78,28.33 70.86,28.26 ; v1(32.55,2.89) 31.51,3.94 v1(31.07,3.94)